# KiCad board coco2.kicad_pcb (continued)
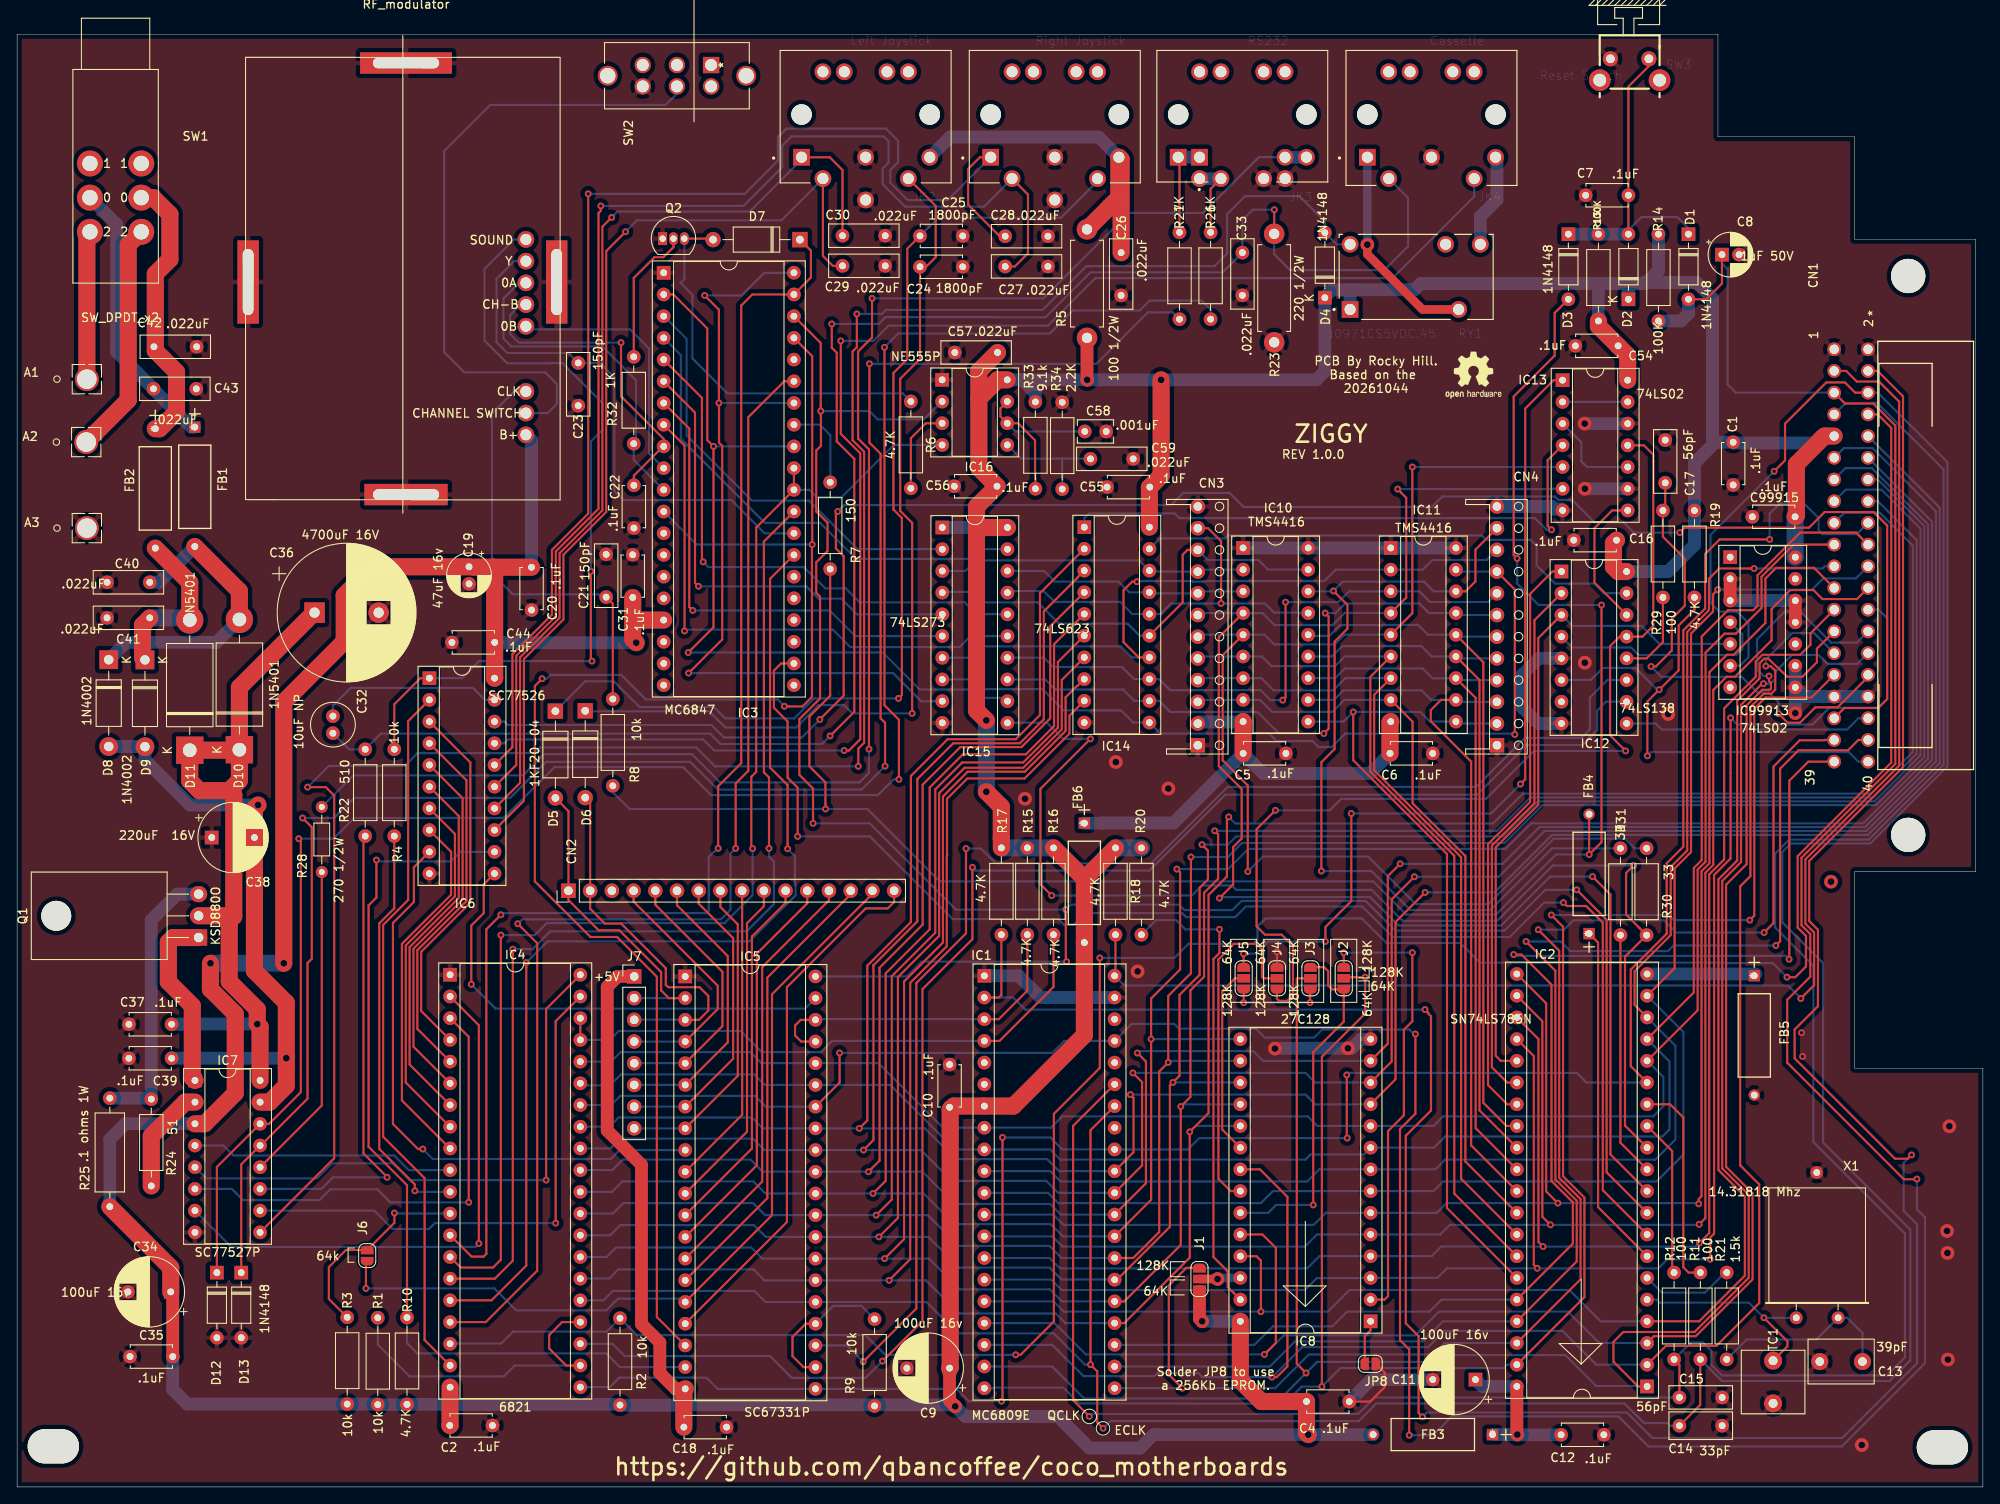
[diagram p0: board, top side]
## Nets
+5V: C1.1 C2.2 C4.1 C9.1 C10.2 C16.1 C18.2 C19.1 C20.1 C31.1 C34.1 C35.2 C44.2 C54.1 C55.1 C56.1 C57.2 C99915.1 CN1.9 D2.1 D4.1 FB3.2 FB6.2 IC1.7 IC3.17 IC4.20 IC5.20 IC6.20 IC7.3 IC8.28 IC12.16 IC13.14 IC14.20 IC15.1 IC15.20 IC16.8 IC99913.14 J1.3 J7.1 MDV-6.1 R1.1 R2.2 R3.1 R5.1 R9.1 R10.2 R13.1 R14.1 R15.1 R16.1 R17.1 R18.1 R19.1 R20.1 R25.1 R33.2 RY1.A1
/dram/VCC1: C5.2 C6.2 CN3.2 FB6.1 IC10.9 IC11.9
GND: A3.1 C1.2 C2.1 C4.2 C5.1 C6.1 C7.2 C8.2 C9.2 C10.1 C11.2 C12.1 C13.2 C14.1 C15.1 C16.2 C17.1 C18.1 C19.2 C20.2 C21.1 C22.2 C23.1 C24.2 C25.2 C26.2 C27.2 C28.1 C29.2 C30.1 C31.2 C33.1 C34.2 C35.1 C36.2 C37.1 C38.1 C39.2 C40.2 C41.2 C42.2 C43.2 C44.1 C54.2 C55.2 C56.2 C57.1 C58.2 C59.2 C99915.2 CN1.1 CN1.2 CN1.33 CN1.34 CN3.1 CN3.12 CN4.1 CN4.12 D12.2 D13.2 FB5.2 IC1.1 IC1.39 IC3.1 IC4.1 IC5.1 IC6.10 IC7.8 IC8.14 IC10.1 IC10.18 IC11.1 IC11.18 IC12.5 IC12.8 IC13.7 IC13.9 IC13.12 IC14.10 IC15.10 IC16.1 IC99913.2 IC99913.3 IC99913.7 IC99913.8 IC99913.9 IC99913.11 IC99913.12 J4.1 JK1.3 JK1.6 JK2.3 JK2.6 JK3.3 JK4.2 JP8.2 MDV-6.9 Q2.1 R23.1 R34.1 SW2.4 SW3.2 TC1.2 X1.3
/A0: CN1.19 IC1.8 IC2.16 IC4.36 IC5.36 IC8.10
/A1: CN1.20 IC1.9 IC2.17 IC4.35 IC5.35 IC8.9
/A2: CN1.21 IC1.10 IC2.18 IC8.8
/A3: CN1.22 IC1.11 IC2.19 IC8.7
/A4: CN1.23 IC1.12 IC2.21 IC8.6
/A5: CN1.24 IC1.13 IC2.22 IC8.5
/A6: CN1.25 IC1.14 IC2.23 IC8.4
/A7: CN1.26 IC1.15 IC2.24 IC8.3
/A8: CN1.27 IC1.16 IC2.4 IC8.25
/A9: CN1.28 IC1.17 IC2.3 IC8.24
/A10: CN1.29 IC1.18 IC2.2 IC8.21
/A11: CN1.30 IC1.19 IC2.1 J3.2
/A12: CN1.31 IC1.20 IC2.39 J2.2
/A13: CN1.37 IC1.21 IC2.38 J1.1
/A14: CN1.38 IC1.22 IC2.37
/A15: CN1.39 IC1.23 IC2.36
/CART_SND: CN1.35 IC6.18
/cpu/BUS_ENABLE_A: IC13.4 IC14.1
/cpu/DQ0: CN3.9 IC10.2 IC14.18 IC15.3
/cpu/DQ1: CN3.8 IC10.3 IC14.17 IC15.18
/cpu/DQ2: CN3.11 IC10.15 IC14.16 IC15.17
/cpu/DQ3: CN3.10 IC10.17 IC14.15 IC15.4
/cpu/DQ4: CN4.10 IC11.2 IC14.14 IC15.7
/cpu/DQ5: CN4.8 IC11.3 IC14.13 IC15.14
/cpu/DQ6: CN4.7 IC11.15 IC14.12 IC15.13
/cpu/DQ7: CN4.9 IC11.17 IC14.11 IC15.8
/cpu/~{BUS_ENABLE}: IC12.15 IC14.19
/D0: CN1.10 IC1.31 IC4.33 IC5.33 IC8.11 IC14.2
/D1: CN1.11 IC1.30 IC4.32 IC5.32 IC8.12 IC14.3
/D2: CN1.12 IC1.29 IC4.31 IC5.31 IC8.13 IC14.4
/D3: CN1.13 IC1.28 IC4.30 IC5.30 IC8.15 IC14.5
/D4: CN1.14 IC1.27 IC4.29 IC5.29 IC8.16 IC14.6
/D5: CN1.15 IC1.26 IC4.28 IC5.28 IC8.17 IC14.7
/D6: CN1.16 IC1.25 IC4.27 IC5.27 IC8.18 IC14.8
/D7: CN1.17 IC1.24 IC4.26 IC5.26 IC8.19 IC14.9
/dram/MA0: CN4.6 IC2.28 IC10.14 IC11.14
/dram/MA1: CN4.5 IC2.29 IC10.13 IC11.13
/dram/MA2: CN4.4 IC2.30 IC10.12 IC11.12
/dram/MA3: CN4.3 IC2.31 IC10.11 IC11.11
/dram/MA4: CN3.3 IC2.32 IC10.8 IC11.8
/dram/MA5: CN3.4 IC2.33 IC10.7 IC11.7
/dram/MA6: CN3.5 IC2.34 IC10.6 IC11.6
/dram/MA7: CN4.2 IC2.35 IC10.10 IC11.10
/dram/~{CAS}: CN4.11 IC10.16 IC11.16 R31.1
/dram/~{RAS}: CN3.6 IC10.5 IC11.5 IC13.5 R30.1
/dram/~{WE}: CN3.7 IC2.10 IC10.4 IC11.4 IC13.6
/E: C14.2 CN1.6 IC1.34 IC4.25 IC5.25 IC99913.6 R11.1
/peripherals/+SALT_VIN: C36.1 C37.2 D10.1 D11.1 IC7.16 Q1.2
/peripherals/-SALT_VIN: C38.2 C39.1 D8.2 D9.2 IC7.15
/peripherals/CASS_DATA_IN: C32.1 C33.2 JK4.4 R22.1 R23.2
/peripherals/CASS_DATA_OUT_TTL: IC4.2 IC7.7
/peripherals/CASS_M_IN_TTL: IC4.39 IC7.10
/peripherals/CASS_MTR_OUT: D4.2 IC7.9 RY1.A2
/peripherals/CD_IN: D13.1 IC7.13 R27.1
/peripherals/CD_OUT_TTL: IC4.40 IC7.5
/peripherals/CSS: D7.1 IC3.39 IC4.13
/peripherals/GM1: IC3.29 IC4.15
/peripherals/GM2: IC3.27 IC4.16
/peripherals/HI_LO: IC5.9 IC6.9
/peripherals/JOY0: C28.2 IC6.16 JK1.1
/peripherals/JOY1: C27.1 IC6.15 JK1.2
/peripherals/JOY2: C30.2 IC6.14 JK2.1
/peripherals/JOY3: C29.1 IC6.13 JK2.2
/peripherals/KR1: CN2.1 D5.2 IC5.2 J7.2
/peripherals/KR2: CN2.2 D6.2 IC5.3 J7.3
/peripherals/KR3: CN2.4 IC5.4 J7.4
/peripherals/KR4: CN2.5 IC5.5 J7.5
/peripherals/KR5: CN2.6 IC5.6 J7.6
/peripherals/KR6: CN2.7 IC5.7 J7.7
/peripherals/KR7: CN2.8 IC5.8 J7.8
/peripherals/SELA: IC5.39 IC6.11
/peripherals/SELB: IC5.19 IC6.12 R10.1
/peripherals/SER_DATA_IN_TTL: IC4.3 IC7.6
/peripherals/SER_DATA_OUT: IC7.12 R28.2
/peripherals/SER_DATA_OUT_TTL: IC4.10 IC7.4
/peripherals/SERIAL_DATA_IN: D12.1 IC7.14 R26.1
/peripherals/~{A}_G: IC3.35 IC4.17
/peripherals/~{INT}_EXT: IC3.30 IC3.31 IC4.14 IC16.4
/Q: C15.2 CN1.7 IC1.35 R12.1
/roms/128K_ROM_~{CE}: IC13.1 J5.1
/roms/A11_OR_A12: IC8.23 J2.1 J3.1
/roms/A12_OR: IC8.2 J2.3
/roms/A13_VCC: IC8.26 J1.2
/roms/~{CE_}A11: IC8.20 J5.2
/roms/~{CS_BASIC}: IC12.13 IC13.11 J4.3
/roms/~{ROM_OE}: IC8.22 J4.2
/R~{W}: CN1.18 IC1.32 IC2.15 IC4.21 IC5.21
/sam/DA0: IC2.8 IC3.22
/sam/~{CS_EXTENDED_BASIC}: IC12.14 IC13.8
/sam/~{RAS_}CP: IC2.12 IC15.11 R30.2
/VDGCLK: D3.2 FB4.2 R7.1 R8.2
/video/DD0: IC3.3 IC15.2
/video/DD1: IC3.4 IC15.19
/video/DD2: IC3.5 IC15.16
/video/DD3: IC3.6 IC15.5
/video/DD4: IC3.7 IC15.6
/video/DD5: IC3.8 IC15.15
/video/DD6: IC3.2 IC3.32 IC15.12
/video/DD7: IC3.34 IC3.40 IC15.9
/video/RF_SND: IC6.1 MDV-6.8 R4.1
/~{CART}: CN1.8 IC4.18 R2.1
/~{CS_PIA0}: IC5.23 IC12.11
/~{CSPIA1}: IC4.23 IC12.10
/~{CTS}: C17.2 CN1.32 R29.1
/~{FIRQ}: IC1.4 IC4.37 IC4.38 R16.2
/~{FS}: IC3.12 IC3.37 IC5.18
/~{HALT}: CN1.3 IC1.40 R18.2
/~{HS}: IC2.9 IC3.38 IC5.40 IC16.2
/~{IRQ}: IC1.3 IC5.37 IC5.38 R15.2
/~{NMI}: CN1.4 IC1.2 R17.2
/~{RESET}: C8.1 CN1.5 D1.2 IC1.37 IC4.34 IC5.34 R14.2
/~{SCS}: CN1.36 IC12.9
/~{SLENB}: CN1.40 IC12.6 R19.2
Net-(A1-Pad1): A1.1 SW1.3
Net-(A2-Pad1): A2.1 SW1.6
Net-(C7-Pad1): C7.1 D1.1 D2.2 D3.1 R13.2 SW3.1
Net-(C11-Pad1): C11.1 C12.2 FB3.1 IC2.40
Net-(C13-Pad1): C13.1 R21.2 X1.1
Net-(C21-Pad2): C21.2 MDV-6.3 R8.1
Net-(C22-Pad1): C22.1 IC3.9 MDV-6.5
Net-(C23-Pad2): C23.2 IC3.28 MDV-6.7
Net-(C24-Pad1): C24.1 D6.1 JK2.4
Net-(C25-Pad1): C25.1 D5.1 JK1.4
Net-(C26-Pad1): C26.1 JK1.5 JK2.5 R5.2
Net-(C32-Pad2): C32.2 IC6.19
Net-(C40-Pad1): C40.1 D8.1 D10.2 FB1.2
Net-(C41-Pad1): C41.1 D9.1 D11.2 FB2.2
Net-(C42-Pad1): C42.1 FB2.1 SW1.5
Net-(C43-Pad1): C43.1 FB1.1 SW1.2
Net-(C58-Pad1): C58.1 IC16.6 IC16.7 R33.1
Net-(C59-Pad1): C59.1 IC16.5 R34.2
Net-(CN2-Pad9): CN2.9 IC5.10
Net-(CN2-Pad10): CN2.10 IC5.11
Net-(CN2-Pad11): CN2.11 IC5.12
Net-(CN2-Pad12): CN2.12 IC5.13
Net-(CN2-Pad13): CN2.13 IC5.14
Net-(CN2-Pad14): CN2.14 IC5.15
Net-(CN2-Pad15): CN2.15 IC5.16 J6.1
Net-(CN2-Pad16): CN2.16 IC5.17
Net-(D7-Pad2): D7.2 Q2.3 R6.1
Net-(FB4-Pad1): FB4.1 IC2.7
Net-(FB5-Pad1): FB5.1 IC2.20
Net-(IC2-Pad5): IC2.5 TC1.1 X1.2
Net-(IC2-Pad6): IC2.6 R21.1
Net-(IC2-Pad11): IC2.11 R31.2
Net-(IC2-Pad13): IC2.13 R12.2
Net-(IC2-Pad14): IC2.14 R11.2
Net-(IC3-Pad10): IC3.10 MDV-6.4
Net-(IC3-Pad11): IC3.11 MDV-6.6 R32.1
Net-(IC3-Pad33): IC3.33 R7.2
Net-(IC4-Pad4): IC4.4 IC6.3
Net-(IC4-Pad5): IC4.5 IC6.4
Net-(IC4-Pad6): IC4.6 IC6.5
Net-(IC4-Pad7): IC4.7 IC6.6
Net-(IC4-Pad8): IC4.8 IC6.7
Net-(IC4-Pad9): IC4.9 IC6.8
Net-(IC4-Pad11): IC4.11 R4.2
Net-(IC4-Pad12): IC4.12 J6.2 R3.2
Net-(IC4-Pad19): IC4.19 IC6.2
Net-(IC4-Pad22): IC4.22 IC4.24 R1.2
Net-(IC5-Pad22): IC5.22 IC5.24 R9.2
Net-(IC6-Pad17): IC6.17 JK4.5
Net-(IC7-Pad1): IC7.1 Q1.1
Net-(IC7-Pad2): IC7.2 R24.2
Net-(IC7-Pad11): IC7.11 R22.2
Net-(IC8-Pad1): IC8.1 JP8.1
Net-(IC8-Pad27): IC8.27 R20.2
Net-(IC12-Pad1): IC2.27 IC12.1
Net-(IC12-Pad2): IC2.26 IC12.2
Net-(IC12-Pad3): IC2.25 IC12.3 IC99913.5
Net-(IC12-Pad4): IC12.4 IC99913.4
Net-(IC12-Pad12): IC12.12 R29.2
Net-(IC13-Pad10): IC13.3 IC13.10
Net-(IC13-Pad13): IC13.2 IC13.13
Net-(IC16-Pad3): IC16.3 R6.2
Net-(J3-Pad3): J3.3 J5.3
Net-(JK3-Pad1): JK3.1 R27.2
Net-(JK3-Pad2): JK3.2 R26.2
Net-(JK3-Pad4): JK3.4 R28.1
Net-(JK4-Pad1): JK4.1 RY1.11
Net-(JK4-Pad3): JK4.3 RY1.14
Net-(MDV-6-Pad2): MDV-6.2 SW2.5
Net-(Q1-Pad3): Q1.3 R24.1 R25.2
Net-(Q2-Pad2): Q2.2 R32.2

Pads without a net: CN2 3; IC1 5 6 33 36 38; IC3 13 14 15 16 18 19 20 21 23 24 25 26 36; IC12 7; IC99913 1 10 13; JK1 E1 E2; JK2 E1 E2; JK3 E1 E2; JK4 E1 E2; RY1 12; SW1 1 4; SW2 1 2 3 6 7 8; SW3 GNDS

## Via types
v1: diameter 1.6, hole 0.8, Top to Bottom, 33 vias
v2: diameter 0.8, hole 0.4, Top to Bottom, 188 vias

## Routing (per net, layer and track width the routed paths; a pad name or vN(x,y) marks a point on that pad's centre or on a via; arc(x,y) is an arc through that point)
+5V: length 828
  Top w1.5: R5.1 125.18,129.57 v1(125.2,129.55) ; v1(109.76,9.42) 109.1,10.08 C9.1 ; C34.1 18.21,22.59 C35.2 ; v1(138.65,19.38) 138.34,19.69 138.34,22.88 ; J7.1 70.27,59.74 69.05,58.53 69.05,41.7 73.05,37.7 73.05,19.05 75.2,16.9 75.2,13.32 77.04,11.48 IC5.20
  Top w2: v1(133.85,129.55) 133.85,118.33 C55.1 132.48,116.96 IC14.20 ; 22.62,58.24 25.52,55.34 25.52,46.07 21.94,42.49 20.81,42.49 ; 22.62,58.24 22.62,59.15 ; 22.62,58.24 v1(22.62,61.27) ; IC13.14 188.44,132.41 C54.1 185.01,135.84 R13.1 ; R18.1 124.87,71.14 ; 124.87,71.14 FB6.2 124.87,52.87 116.57,44.57 IC1.7 109.59,44.57 109.17,44.15 109.17,13.97 C9.1 ; 124.87,71.14 124.87,71.17 R16.1 ; 72.02,101.55 72.03,99.2 v1(72.44,98.79) ; 72.02,101.55 72.14,101.44 IC3.17 ; 72.02,101.55 C31.1 ; R25.1 17.97,25.67 C34.1 ; CN1.9 211.47,122.97 208.18,119.68 208.18,113.68 208.08,113.58 208.03,113.58 ; R17.1 115.16,75.91 115.15,75.92 115.15,79.6 v1(113.4,81.35) ; 112.25,112.02 112.25,90.85 v1(113.4,89.7) ; 112.25,112.02 112.51,112.27 IC15.20 ; 112.25,112.02 112.25,114.7 C56.1 112.52,119.23 112.52,127.36 ; IC12.16 187.33,107.12 186.78,107.68 186.78,110.44 C16.1 ; 112.52,127.36 114.72,129.55 IC16.8 ; 112.52,127.36 112.52,130.56 C57.2 ; IC5.20 78.01,11.32 C18.2 ; IC8.28 143.12,12.46 145.58,9.99 C4.1 150.86,6.33 v1(151.07,6.12) ; IC6.20 55.87,94.66 C44.2 55.87,107.43 55.67,107.62 ; C20.1 55.67,107.62 ; 55.67,107.62 55.64,107.59 ; 55.67,107.62 55.67,107.62 53.35,107.62 ; C19.1 41.62,107.68 38.27,104.33 38.27,98.93 31.2,91.85 v1(31.2,61.28) ; C2.2 50.66,7.23 IC4.20
  Bottom w1.5: FB3.2 158.65,6.12 v1(151.07,6.12) 132.98,6.12 131.41,4.55 125.46,4.55 121.77,8.24 110.94,8.24 v1(109.76,9.42) 109.58,9.6 78.17,9.6 ; 190.54,140.83 192.04,142.33 R14.1 ; 190.54,140.83 190.42,140.95 196.49,140.95 198.37,139.07 198.37,122.57 198.69,122.25 ; 190.54,140.83 188.43,140.83 ; RY1.A1 155.96,140.06 156,140.1 ; 50.9,9.65 R10.2 45.59,9.63 R1.1 42.14,9.69 R3.1 19.91,9.69 18.2,11.4 18.2,14.11 18.21,14.12 C35.2 ; 50.9,9.65 50.9,10.3 50.66,10.54 IC4.20 ; 50.9,9.65 70.46,9.66 R2.2 70.57,9.55 78.12,9.55 78.17,9.6 ; 188.43,140.83 188.53,140.74 D2.1 ; 188.43,140.83 184.71,140.83 ; 156,140.1 163.5,140.1 164.23,140.83 184.71,140.83 ; 156,140.1 153.87,140.1 153.01,139.24 D4.1 153.01,130.55 152.01,129.55 v1(133.85,129.55) v1(125.2,129.55) IC16.8 117.59,129.55 119.14,128 119.14,126.97 ; 198.69,122.25 196.25,119.81 R19.1 196.25,110.2 193.17,107.12 IC12.16 ; 198.69,122.25 C1.1 200.87,122.16 210.2,122.16 211.01,122.97 CN1.9 ; R13.1 185.01,140.53 184.71,140.83 ; MDV-6.1 60.19,122.46 C20.1 ; R25.1 10.85,40.68 12.68,42.51 19.66,42.51 19.68,42.49 20.81,42.49 ; 78.17,9.6 IC5.20 ; 55.64,98.79 v1(72.44,98.79) ; IC15.20 IC15.1 ; IC8.28 v1(138.65,19.38)
  Bottom w2: IC99913.14 208.03,108.83 C99915.1 ; R16.1 R17.1 ; v1(113.4,81.35) v1(113.4,89.7) ; v1(31.2,61.28) v1(22.62,61.27) ; R18.1 R20.1
/dram/VCC1: length 54
  Top w2: C6.2 160.63,89.47 IC11.9 ; IC10.9 143.45,89.55 C5.2
  Bottom w1.5: FB6.1 127.03,77.67 127.06,77.7 135.31,77.7 C5.2 145.81,83.48 158.27,83.48 C6.2 ; IC10.9 143.4,89.52 138.33,89.52 CN3.2
GND: length 133.2
  Top w0.25: 147.38,62.65 v2(147.41,62.61) 147.41,60.82 ; C4.2 158.31,9.99 160.02,11.7 160.02,13.35 JP8.2
  Top w1.5: IC99913.2 IC99913.3 ; IC99913.12 IC99913.11
  Bottom w1.5: IC10.1 IC10.18 IC11.1 IC11.18 ; IC99913.9 208.05,93.56 ; 208.05,93.56 v1(208.05,90.55) ; 208.05,93.56 209.12,92.49 CN1.33 CN1.34 ; CN4.12 179.57,114.73 179.88,114.43 180.67,114.43 IC13.7 ; IC12.5 179.56,96.96 179.55,96.97 178.04,96.97 176.1,95.03 176.1,91.21 177.97,89.34 IC12.8 ; IC13.9 v1(183.43,116.81) ; IC13.12 v1(183.41,124.43) ; IC1.1 117.19,59.81 119.73,57.27 IC1.39 ; C4.2 158.43,12.56 C11.2 ; IC99913.12 IC99913.3 ; v1(147.17,51.29) 147.21,51.33 v1(155.7,51.33) 156.16,51.33 157.23,52.4 IC8.14
  vias: v1(117.92,80.53) v1(128.55,84.83) v1(131.1,60.33) v1(134.7,81.73) v1(183.43,96.45) v1(193.18,90.45) v1(215.82,4.9) v1(225.8,29.95) v1(225.85,27.38) v1(225.9,14.9) v1(226.07,42.2) v2(208.78,53.15) v2(208.9,50.38)
(no net):
  vias: v1(212.23,70.83)
/A0: length 211.9
  Top w0.25: CN1.19 207.85,110.27 204.1,106.52 204.1,102.85 201.1,99.85 199.78,99.85 197.55,97.62 197.55,73.16 196.62,72.23 196.62,55.77 IC2.16
  Bottom w0.25: IC2.16 192.61,47.96 192.61,44.53 191.45,43.37 166.85,43.37 165.72,42.24 IC8.10 152.12,42.24 150.99,43.37 122.3,43.37 120.96,42.03 IC1.8 108.32,42.03 100.77,49.58 IC5.36 87.1,49.58 85.8,50.88 70.62,50.88 69.51,49.77 IC4.36
/A1: length 222.3
  Top w0.25: CN1.20 215.16,111.68 208.62,111.68 203.63,106.68 203.63,103.1 203.12,102.59 200.18,102.59 197.1,99.51 197.1,73.35 196.17,72.42 196.17,57.86 IC2.17
  Bottom w0.25: IC4.35 66.14,46.99 69.37,46.99 70.65,48.28 86.24,48.28 87.48,47.04 IC5.35 102.15,47.04 109.7,39.49 IC1.9 120.87,39.49 122.07,38.29 150.72,38.29 151.33,38.9 157.56,38.9 IC8.9 165.78,39.7 167.09,41.01 192.51,41.01 193.33,41.83 193.33,49.78 IC2.17
/A2: length 169.8
  Top w0.25: 190.71,54.94 189.25,56.4 189.25,60.35 193.47,64.57 193.47,72.55 195.4,74.47 195.4,100.05 197.95,102.6 197.95,106.27 199.15,107.48 v2(203.23,107.48)
  Bottom w0.25: IC1.10 120.88,36.95 122.08,35.75 150.93,35.75 152.34,37.16 IC8.8 165.94,37.16 167.07,38.29 191.66,38.29 194.02,40.65 194.02,51.63 190.71,54.94 ; v2(203.23,107.48) 211.21,107.48 211.47,107.73 CN1.21
/A3: length 174.7
  Top w0.25: IC2.19 193.93,60.7 193.93,72.36 195.85,74.29 195.85,99.86 198.43,102.44 198.43,104.45 v2(198.98,105)
  Bottom w0.25: IC1.11 120.62,34.41 121.82,33.21 145.53,33.21 146.94,34.62 IC8.7 165.71,34.62 166.84,35.75 191.82,35.75 194.96,38.89 194.96,53.23 IC2.19 ; CN1.22 215.15,106.32 211.32,106.32 210,105 v2(198.98,105)
/A4: length 200.4
  Top w0.25: v2(180.28,33.21) 178.9,34.58 178.9,56.59 IC2.21 ; CN1.23 210.24,107.55 205.8,107.55 204.55,106.3 204.55,101.09 200.83,97.38 200.04,97.38 198,95.34 198,72.97 197.07,72.05 197.07,34.02 196.75,33.69 v2(196.75,33.12)
  Bottom w0.25: IC1.12 121.23,31.87 122.44,30.67 151.71,30.67 153.12,32.08 IC8.6 166.12,32.08 167.25,33.21 v2(180.28,33.21) 196.67,33.21 v2(196.75,33.12)
/A5: length 202.9
  Top w0.25: v2(179.41,30.67) 178.45,31.62 178.45,54.5 IC2.22 ; v2(196.8,30.72) 197.52,31.45 197.52,71.86 198.45,72.79 198.45,93.25 200,94.8 201,94.8 205.28,99.07 205.28,102.73 207.45,104.95 210.18,104.95 211.23,103.9 215.27,103.9 CN1.24
  Bottom w0.25: IC1.13 121.11,29.33 122.31,28.13 150.68,28.13 152.09,29.54 IC8.5 166.52,29.54 167.65,30.67 v2(179.41,30.67) 196.74,30.67 v2(196.8,30.72)
/A6: length 196.7
  Top w0.25: v2(178.54,28.13) 178,28.66 178,52.41 175.47,54.94 ; v2(196.83,28.55) 197.98,29.69 197.98,71.68 199.73,73.43 199.73,91.11 203.42,94.81 203.42,96.58 204.22,97.38 208.62,97.38 209.82,98.57 209.82,99.88 CN1.25
  Bottom w0.25: IC1.14 120.8,26.79 122,25.59 150.97,25.59 152.38,27 IC8.4 165.51,27 166.64,28.13 v2(178.54,28.13) 196.41,28.13 v2(196.83,28.55)
/A7: length 211
  Top w0.25: v2(200.48,90) 200.48,73.54 198.55,71.61 198.55,29.63 198.1,29.18 v2(198.1,26.64) ; v2(177.86,25.59) 177.46,25.99 177.46,50.41 IC2.24
  Bottom w0.25: v2(200.48,90) 201.25,89.23 210.07,89.23 212.03,91.18 217.75,91.18 218.8,92.23 218.8,101.65 217.8,102.65 CN1.26 ; v2(198.1,26.64) 193.07,26.64 192.02,25.59 v2(177.86,25.59) 167.31,25.59 166.18,24.46 IC8.3 157.23,24.46 157.21,24.44 152.07,24.44 150.68,23.05 122.2,23.05 121,24.25 IC1.15
/A8: length 191.1
  Top w0.25: 212.34,99.85 CN1.27 210.57,98.09 210.57,96.5 208.88,94.8 207.12,94.8 204.88,96.92 204.4,96.92 203.87,96.4 203.87,94.62 201.25,92 201.25,73.3 199.05,71.1 199.05,37.09 202.15,33.99 202.15,24.72 196.81,19.38 190.71,19.38 ; v2(145.53,20.51) 145.53,26.47 145,27 IC8.25
  Bottom w0.25: IC1.16 121.25,21.71 121.26,21.72 122.48,20.51 v2(145.53,20.51) 153.37,20.51 155.91,23.05 181.6,23.05 185.28,19.37 189.57,19.37 189.58,19.38 190.71,19.38
/A9: length 212.2
  Top w0.25: v2(204.97,94.88) 204.97,94.32 205.2,94.09 205.2,93.43 205.05,93.28 204.18,93.28 202.35,91.45 202.35,72.87 199.95,70.48 199.95,37.46 203.05,34.36 203.05,24.29 196.4,17.64 191.51,17.64 190.71,16.84 ; v2(145.93,15.5) 146.33,15.9 146.33,15.91 147.27,16.85 147.27,27.97 145.71,29.54 IC8.24
  Bottom w0.25: v2(204.97,94.88) 204.34,94.88 203.57,95.65 203.57,99.2 206.82,102.45 208.59,102.45 212.24,98.8 215.25,98.8 CN1.28 ; 113.17,19.17 121.38,19.17 125.05,15.5 v2(145.93,15.5) 145.97,15.5 148.21,17.74 163.6,17.74 164.1,18.24 164.1,18.25 166.36,20.51 181.44,20.51 185.11,16.84 190.71,16.84
/A10: length 217.9
  Top w0.25: IC2.2 192.91,16.5 198.81,16.5 203.83,21.51 203.83,35.41 201.6,37.64 201.6,70.28 202.8,71.48 202.8,91.26 204.36,92.83 205.23,92.83 205.7,93.29 205.7,95.53 205.15,96.05 v2(204.6,96.05) ; v2(146.81,12.85) 147.38,12.85 148.62,14.1 148.62,33.95 145.42,37.16 IC8.21
  Bottom w0.25: IC2.2 184.78,14.3 180.83,18.25 166.99,18.25 165.09,16.35 150.35,16.35 146.85,12.85 v2(146.81,12.85) 138.68,12.85 138.22,13.31 133.4,13.31 133.05,12.96 124.77,12.96 121.1,16.63 IC1.18 ; v2(204.6,96.05) 204.6,96.82 207.71,99.93 210.24,99.93 CN1.29
/A11: length 245.2
  Top w0.25: v2(150.81,13.33) 149.73,14.42 149.73,59.45 149.8,59.52 J3.2 ; v2(204.32,94) 204.17,94 201.7,91.53 201.7,73.11 199.5,70.91 199.5,37.27 202.6,34.18 202.6,24.47 196.25,18.12 187.93,18.12 186.78,16.97 186.78,14.65 189.66,11.76 IC2.1
  Bottom w0.25: v2(204.32,94) 205.14,94 205.7,94.56 205.7,95.38 207.67,97.35 210.78,97.35 211.81,96.32 215.31,96.32 CN1.30 ; IC2.1 189.66,11.76 189.61,11.81 184.75,11.81 181.13,15.43 167.01,15.43 166.22,14.64 152.12,14.64 v2(150.81,13.33) 147.83,10.35 124.84,10.35 121.1,14.09 IC1.19
/A12: length 234.5
  Top w0.25: v2(202.73,66.33) 203.25,66.85 203.25,91.08 204.55,92.38 209.94,92.38 CN1.31 ; v2(152.66,11.74) 152.66,50.34 157.73,55.4 v2(157.73,59.65) 155.35,59.65 J2.2 ; v2(179.5,66.93) 180.87,65.55 180.87,36.36 183.37,33.86 183.37,22.2 IC2.39
  Bottom w0.25: v2(179.5,66.93) 193.23,66.93 193.82,66.33 v2(202.73,66.33) ; IC2.39 174.34,14.3 173.95,13.91 154.83,13.91 v2(152.66,11.74) 150.32,11.74 148.3,9.72 124.25,9.78 122.42,11.61 114.36,11.61 114.3,11.55 IC1.20
/A13: length 175.6
  Top w0.25: CN1.37 211.47,87.41 211.43,87.38 208.57,87.38 205.5,84.3 205.5,65.97 v2(204.4,64.88) ; 175.47,16.84 182.92,24.29 182.92,33.68 180.42,36.18 180.42,62.75 v2(177.98,65.2) ; J1.1 136.81,25.63 134.75,23.58 134.75,13.14 v2(136.34,11.55)
  Bottom w0.25: IC1.21 v2(136.34,11.55) 147.19,11.55 151.14,15.5 165.66,15.5 167,16.84 175.47,16.84 ; v2(177.98,65.2) 180.98,65.2 182.07,66.3 192.68,66.3 194.1,64.88 v2(204.4,64.88)
/A14: length 161.6
  Top w0.25: 175.47,19.38 182.47,26.38 182.47,33.49 179.97,35.99 179.97,60.4 v2(176.55,63.83) ; v2(205.78,63.35) 206.28,63.85 206.28,84.05 208.43,86.2 214.22,86.2 215.43,87.41 CN1.38
  Bottom w0.25: IC1.22 146.57,14.09 149.51,17.03 164.49,17.03 166.84,19.38 175.47,19.38 ; v2(176.55,63.83) 180.6,63.83 181.73,62.7 193.15,62.7 193.8,63.35 v2(205.78,63.35)
/A15: length 155.3
  Top w0.25: CN1.39 209.57,84.87 207.35,82.65 207.35,61.78 v2(207.32,61.75) ; v2(175.1,62.3) 176,62.3 179.52,58.78 179.52,35.8 182.02,33.3 182.02,28.47 IC2.36
  Bottom w0.25: IC1.23 144.77,16.63 146.94,18.8 153.9,18.8 155.61,20.51 165.24,20.51 166.64,21.91 174.33,21.91 174.34,21.92 IC2.36 ; v2(207.32,61.75) 206.93,62.15 190.62,62.15 190.62,62.15 175.25,62.15 v2(175.1,62.3)
/CART_SND: length 221.4
  Top w0.25: CN1.35 213.8,91.15 217.75,91.15 218.8,92.2 218.8,112.5 217.23,114.08 211.48,114.08 209.65,112.25 195.1,112.25 v2(194.53,111.68) ; v2(93.92,89.81) 96.71,92.6 96.71,108.91 95.8,109.82 95.8,113.93 v2(96.02,114.15)
  Bottom w0.25: v2(93.92,89.81) 91.82,87.71 82.7,87.71 81.25,89.16 57.39,89.16 56.99,89.56 IC6.18 ; v2(194.53,111.68) 189.15,111.68 187.95,112.88 184.55,112.88 181.92,115.5 180.32,115.5 179.92,115.91 166.76,115.91 165.52,114.68 143.5,114.68 141.85,116.33 136.45,116.33 135.02,114.9 96.77,114.9 v2(96.02,114.15)
/cpu/BUS_ENABLE_A: length 67.5
  Top w0.25: v2(179.53,112) 179.07,112.46 179.07,120.15 IC13.4
  Bottom w0.25: v2(179.53,112) 178.96,112 177.6,113.37 135.99,113.37 135.44,113.92 125.42,113.92 124.86,113.36 IC14.1
/cpu/DQ0: length 36.3
  Bottom w0.25: IC10.2 138.37,107.34 CN3.9 132.6,107.11 IC14.18 131.68,108.03 131.68,108.04 131.3,108.42 112.19,108.42 110.96,107.19 IC15.3
/cpu/DQ1: length 28.8
  Bottom w0.25: IC10.3 138.37,104.8 CN3.8 132.6,104.57 132.48,104.69 130.11,104.69 128.86,105.94 121.41,105.94 120.16,107.19 IC15.18
/cpu/DQ2: length 48
  Top w0.25: 138.14,112.19 139.34,112.19 140.87,110.67 v2(140.87,103.39)
  Bottom w0.25: IC10.15 149.93,102.26 149.88,102.31 147.07,102.31 145.99,103.39 v2(140.87,103.39) 135.02,103.39 133.78,102.15 IC14.16 130.46,102.15 129.05,103.56 121.36,103.56 120.09,104.84 116.06,104.84 IC15.17
/cpu/DQ3: length 53.4
  Top w0.25: IC14.15 136.38,103.51 136.38,109.09 136.94,109.65 CN3.10
  Bottom w0.25: IC14.15 131.35,99.61 129.95,101.01 121.9,101.01 119.39,103.52 112.71,103.52 111.48,104.75 108.35,104.75 IC15.4 ; CN3.10 139.32,108.47 145.23,108.47 146.35,107.35 149.92,107.35 149.93,107.34 IC10.17
/cpu/DQ4: length 80.9
  Top w0.25: v2(131.01,105.93) 130.45,105.93 129.45,104.93 129.45,98.85 131.23,97.07 IC14.14
  Bottom w0.25: CN4.10 172.29,108.8 172.27,108.8 171.94,108.47 165.59,108.47 164.46,107.34 IC11.2 154.29,107.34 152.95,106 138.77,106 138.7,105.93 137.58,105.93 137.51,106 131.09,106 v2(131.01,105.93) ; IC14.14 130.43,97.07 129.13,98.37 112.82,98.37 111.48,97.03 IC15.7
/cpu/DQ5: length 72.1
  Top w0.25: v2(148.08,92.07) 148.41,92.4 v2(148.41,103.53)
  Bottom w0.25: IC15.14 120.14,97.03 121.23,95.94 129.28,95.94 130.69,94.53 IC14.13 133.61,94.53 134.91,93.23 145.49,93.23 146.65,92.07 v2(148.08,92.07) ; CN4.8 172.29,103.72 172.29,103.71 172.13,103.55 165.31,103.55 164.06,104.8 IC11.3 159.59,104.8 159.58,104.79 155.83,104.79 154.57,103.53 v2(148.41,103.53)
/cpu/DQ6: length 75.3
  Top w0.25: v2(152.89,88.16) 153.45,88.72 153.45,101.85 v2(153.05,102.25)
  Bottom w0.25: CN4.7 168.57,102.03 IC11.15 165.19,102.26 164.06,103.39 155.38,103.39 154.24,102.25 v2(153.05,102.25) ; v2(152.89,88.16) 147.66,88.16 145.13,90.69 134.92,90.69 133.61,91.99 IC14.12 130.72,91.99 129.39,93.32 121.46,93.32 120.29,94.49 IC15.13
/cpu/DQ7: length 95.8
  Top w0.25: CN4.9 175.23,105.02 v2(175.23,88.05)
  Bottom w0.25: IC11.17 168.57,107.11 CN4.9 ; v2(175.23,88.05) 175.13,88.15 155.38,88.15 153.81,86.58 152.26,86.58 151.57,87.27 147.36,87.27 146.48,88.15 133.78,88.15 IC14.11 130.6,89.45 129.18,90.86 122.48,90.86 119.99,93.35 113.14,93.35 111.99,94.5 109.39,94.5 109.38,94.49 IC15.8
/cpu/~{BUS_ENABLE}: length 60.6
  Bottom w0.25: 132.48,109.77 133.72,111.01 141.32,111.01 141.66,111.35 171.37,111.35 171.89,110.83 177.08,110.83 177.79,110.12 177.79,107.83 179.92,105.71 184.51,105.71 185.64,104.58 IC12.15
/D0: length 323.2
  Top w0.25: v2(130.25,45.91) 130.62,45.53 130.62,39.17 IC1.31 ; IC8.11 161.28,47.7 161.28,66.11 v2(164.74,69.57) ; v2(98.54,41.96) 99.48,42.9 99.48,61 104.58,66.1 104.58,83.2 108.87,87.5 116.85,87.5 119.67,90.33 119.67,104.59 124.86,109.77
  Bottom w0.25: CN1.10 224.95,114.58 224.95,84.7 216.56,76.31 179.6,76.31 172.86,69.57 v2(164.74,69.57) ; v2(130.25,45.91) 150.75,45.91 151.89,44.77 157.22,44.77 157.23,44.78 IC8.11 ; IC4.33 69.3,42.15 70.37,43.22 85.98,43.22 87.25,41.96 IC5.33 v2(98.54,41.96) 106.22,41.96 109.82,38.36 120.51,38.36 121.92,36.95 IC1.31
/D1: length 330.6
  Top w0.25: v2(130.55,48.45) 131.62,47.37 131.62,37.62 IC1.30 ; v2(163.48,71.4) 160.83,68.75 160.83,49.79 IC8.12 ; v2(99.03,39.42) 100.19,40.58 100.19,61.04 105.33,66.18 105.33,82.83 109.52,87.03 117.33,87.03 120.13,89.83 120.13,102.45 124.06,106.39 124.06,106.43 IC14.3
  Bottom w0.25: IC1.30 121.82,34.41 120.41,35.82 109.35,35.82 105.75,39.42 v2(99.03,39.42) IC5.32 87.42,39.42 86.09,40.75 70.58,40.75 69.44,39.61 IC4.32 ; IC8.12 151.86,47.32 150.73,48.45 v2(130.55,48.45) ; v2(163.48,71.4) 173.35,71.4 178.71,76.76 216.37,76.76 224.5,84.88 224.5,114.16 217.1,121.56 213.72,121.56 CN1.11 212.6,120.7
/D2: length 327.2
  Top w0.25: v2(131.07,50.78) 132.08,49.77 132.08,35.54 IC1.29 ; IC8.13 160.38,51.88 160.38,71.47 v2(161.81,72.92) ; v2(99.61,36.88) 100.01,37.28 100.01,37.28 100.91,38.18 100.91,60.33 100.9,60.33 100.9,60.75 105.95,65.8 105.95,82.18 110.35,86.58 117.51,86.58 120.87,89.94 120.87,100.7 124.86,104.69
  Bottom w0.25: 161.68,72.78 v2(161.81,72.92) 173.81,72.92 178.11,77.21 216.19,77.21 224.05,85.07 224.05,112.94 CN1.12 ; v2(131.07,50.78) 131.28,50.99 144.64,50.99 145.77,49.86 IC8.13 ; IC1.29 122.11,31.87 120.87,33.11 109.71,33.11 105.94,36.88 v2(99.61,36.88) 87.24,36.88 85.83,38.29 70.85,38.29 69.64,37.08 65.91,37.08 IC4.31
/D3: length 339.9
  Top w0.25: IC1.28 132.68,33.6 v2(132.68,52.4) 132.68,57.16 136.07,60.55 136.07,71.92 v2(135.69,72.3) ; v2(100.14,34.34) 101.62,35.82 101.62,60.1 106.77,65.25 106.77,81.85 110.65,85.73 118.03,85.73 121.32,89.02 121.32,98.61 IC14.5
  Bottom w0.25: 132.58,52.3 v2(132.68,52.4) IC8.15 ; CN1.13 213.93,119.22 217,119.22 223.6,112.62 223.6,85.25 216,77.66 177.14,77.66 174.15,74.67 144.06,74.67 141.69,72.3 v2(135.69,72.3) ; IC4.30 69.6,34.53 70.83,35.75 86.14,35.75 87.55,34.34 IC5.30 v2(100.14,34.34) 106.07,34.34 109.67,30.74 120.95,30.74 122.36,29.33 IC1.28
/D4: length 334.7
  Top w0.25: IC1.27 130.59,26.79 133.62,29.83 133.62,48.62 v2(134.68,49.67) 134.68,57.46 137.34,60.12 v2(137.34,73.71) ; IC14.6 121.77,96.52 121.77,88.84 117.71,84.78 110.58,84.78 107.42,81.62 107.42,64.85 102.34,59.77 102.34,33.63 v2(100.51,31.8)
  Bottom w0.25: CN1.14 217.69,117.89 223.15,112.43 223.15,85.44 217.48,79.77 178.45,79.77 174.03,75.35 143.3,75.35 141.66,73.71 v2(137.34,73.71) ; v2(134.68,49.67) 134.87,49.86 IC8.16 ; IC4.29 69.7,31.99 70.92,33.21 86.11,33.21 87.52,31.8 IC5.29 v2(100.51,31.8) 106.56,31.8 110.16,28.2 120.79,28.2 122.2,26.79 IC1.27
/D5: length 338.7
  Top w0.25: v2(138.63,75.16) 139.32,74.47 139.32,71.08 138.35,70.1 138.35,59.93 136,57.58 136,48.11 v2(135.23,47.34) 135.23,47.33 134.88,46.97 134.88,30.44 128.69,24.25 IC1.26 ; v2(100.83,29.26) 100.83,29.26 103.06,31.48 103.06,59.66 107.88,64.48 107.88,81.18 110.85,84.15 117.73,84.15 122.23,88.65 122.23,94.43 124.06,96.26 124.06,96.27 IC14.7
  Bottom w0.25: IC1.26 127.28,24.25 127.26,24.27 122.2,24.27 120.81,25.66 110.22,25.66 106.62,29.26 v2(100.83,29.26) IC5.28 87.59,29.26 86.22,30.63 70.58,30.63 69.4,29.45 IC4.28 ; v2(138.63,75.16) 141.66,75.16 142.63,76.13 173.82,76.13 177.91,80.22 217.3,80.22 222.7,85.63 222.7,112.13 218.14,116.69 213.94,116.69 CN1.15 ; IC8.17 141.99,47.32 141.97,47.34 v2(135.23,47.34)
/D6: length 333.4
  Top w0.25: v2(140.12,76.78) 140.52,76.38 140.52,71.17 138.88,69.53 138.88,59.7 137.27,58.1 137.27,45.64 v2(136.15,44.51) 136.15,28.32 129.54,21.71 IC1.25 ; IC14.8 124.06,93.73 124.01,93.73 122.68,92.4 122.68,88.46 117.91,83.7 111.22,83.7 108.33,80.8 108.33,63.7 103.77,59.15 103.77,28.99 v2(101.5,26.72)
  Bottom w0.25: v2(136.15,44.51) 136.42,44.78 IC8.18 ; IC4.27 68.97,26.91 70.08,28.02 85.89,28.02 87.19,26.72 IC5.27 v2(101.5,26.72) 106.69,26.72 110.29,23.12 120.83,23.12 122.24,21.71 IC1.25 ; CN1.16 217.69,115.35 222.25,110.79 222.25,85.81 217.11,80.67 177.04,80.67 173.15,76.78 v2(140.12,76.78)
/D7: length 337.7
  Top w0.25: v2(102.03,24.18) 104.49,26.64 104.49,58.98 108.78,63.26 108.78,73.8 108.83,73.97 108.8,74 108.8,80.53 111.17,82.9 117.87,82.9 123.13,88.15 123.13,90.26 IC14.9 ; 128.41,19.17 129.54,19.17 137.2,26.83 v2(137.2,41.55) 139.4,43.75 139.4,69.28 141.55,71.43 141.55,78.19 v2(141.76,78.4)
  Bottom w0.25: 128.41,19.17 122.63,19.17 121.5,20.3 110.22,20.3 106.34,24.18 v2(102.03,24.18) IC5.26 92.28,24.18 92.27,24.17 87.45,24.17 86.17,25.45 70.35,25.45 69.29,24.39 65.92,24.39 IC4.26 ; v2(141.76,78.4) 142.53,77.63 172.67,77.63 176.17,81.12 216.93,81.12 221.8,86 221.8,110.14 217.93,114.01 213.8,114.01 CN1.17 ; v2(137.2,41.55) 137.89,42.24 IC8.19
/dram/MA0: length 84.4
  Top w0.25: IC11.14 171.55,96.51 171.55,44.95 174.26,42.24 IC2.28
  Bottom w0.25: CN4.6 168.57,99.49 IC11.14 165.07,99.72 163.91,100.88 161.14,100.88 161.11,100.85 154.79,100.85 153.54,99.6 151.18,99.6 IC10.14
/dram/MA1: length 83.6
  Top w0.25: IC11.13 171.1,94.42 171.1,44.07 IC2.29
  Bottom w0.25: CN4.5 168.57,96.95 IC11.13 165.5,97.18 164.29,98.39 155.05,98.39 153.84,97.18 IC10.13
/dram/MA2: length 83.5
  Top w0.25: 168.34,94.64 170.65,92.33 170.65,41.98 175.47,37.16
  Bottom w0.25: 151.06,94.64 154.2,94.64 155.33,95.77 164.45,95.77 165.59,94.63 167.2,94.63 167.21,94.64 168.34,94.64 168.57,94.41 CN4.4
/dram/MA3: length 87
  Top w0.25: IC11.11 166.6,92.1 165.4,90.9 165.4,89.6 170.12,84.88 170.12,39.97 175.47,34.62
  Bottom w0.25: IC10.11 154.08,92.1 155.21,93.23 164.32,93.23 165.45,92.1 IC11.11 168.57,91.87 CN4.3
/dram/MA4: length 90
  Top w0.25: IC11.8 163.27,89.55 163.27,80 169.45,73.83 169.45,38.08 174.65,32.88 174.67,32.88 IC2.32
  Bottom w0.25: IC11.8 155.29,92.1 153.88,90.69 146.84,90.69 145.43,92.1 IC10.8 138.37,92.1 CN3.3
/dram/MA5: length 96.7
  Top w0.25: 160.72,94.64 158.78,92.7 158.78,83.86 168.95,73.69 168.95,36.06 IC2.33
  Bottom w0.25: 160.72,94.64 155.41,94.64 154,93.23 146.99,93.23 145.58,94.64 138.37,94.64 CN3.4
/dram/MA6: length 101.9
  Top w0.25: IC11.6 158.32,94.78 158.32,83.68 168.15,73.85 168.15,34.32 175.47,27
  Bottom w0.25: IC11.6 159.59,97.18 159.58,97.19 155.34,97.19 154.2,96.05 146.76,96.05 145.63,97.18 IC10.6 138.37,97.18 CN3.5
/dram/MA7: length 97.9
  Top w0.25: v2(156.32,90.69) 156.32,85.04 167.3,74.07 167.3,32.63 IC2.35 176.14,24.46
  Bottom w0.25: CN4.2 168.57,89.33 IC11.10 167.21,89.56 167.2,89.57 165.3,89.57 164.18,90.69 v2(156.32,90.69) 155.2,89.56 IC10.10
/dram/~{CAS}: length 102.9
  Top w0.25: v2(154.01,104.85) 155.65,103.21 155.65,100.43 154.15,98.93 154.15,86.35 152.6,84.8 v2(152.6,72.07) ; IC11.16 169.47,104.8 170.62,105.95 170.62,109.68 173.14,112.19
  Bottom w0.25: 152.57,72.07 v2(152.6,72.07) 158.44,72.07 163,67.51 172.37,67.51 179.59,74.72 187.59,74.72 R31.1 ; IC11.16 165.74,104.8 164.61,105.93 155.1,105.93 v2(154.01,104.85) 153.97,104.8 IC10.16
/dram/~{RAS}: length 145.1
  Top w0.25: IC11.5 163.24,102.24 v2(163.24,119.35) ; v2(143.99,72.01) 143.99,82.09 141.05,85.03 141.05,97.33 IC10.5
  Bottom w0.25: 163.23,119.35 v2(163.24,119.35) IC13.5 ; IC11.5 155.3,99.72 154.17,98.59 147.09,98.59 145.96,99.72 IC10.5 138.37,99.72 CN3.6 ; R30.1 189.26,74.73 188.13,75.86 179.79,75.86 172.12,68.19 163.66,68.19 158.09,73.76 145.74,73.76 v2(143.99,72.01)
/dram/~{WE}: length 182.5
  Top w0.25: v2(140.68,68.9) 142.27,70.5 142.27,74.88 143.27,75.88 143.27,81.68 140.6,84.35 140.6,99.42 IC10.4 ; v2(184.32,71.43) 186.43,69.33 186.43,38.91 190.71,34.62 ; v2(161.53,116.77) 161.93,116.37 161.93,116.35 162.52,115.75 162.52,104.07 IC11.4
  Bottom w0.25: v2(184.32,71.43) 179.38,71.43 173.65,65.7 161.62,65.7 158.3,69.03 140.8,69.03 v2(140.68,68.9) ; v2(161.53,116.77) 179.65,116.77 179.69,116.81 IC13.6 ; IC11.4 159.59,102.26 159.58,102.27 155.33,102.27 153.91,100.85 147.14,100.85 145.72,102.26 IC10.4 138.37,102.26 CN3.7
/E: length 394.7
  Top w0.25: IC1.34 125.59,41.75 v2(125.59,14.31) 126.37,13.53 126.37,7.55 v2(127.06,6.86) ; R11.1 196.93,14.91 196.93,9.59 C14.2 ; CN1.6 215.05,128.05 213.85,129.25 211.68,129.25 206.85,124.43 206.85,120.12 v2(205.57,118.85)
  Bottom w0.25: v2(127.06,6.86) 127.89,7.69 156.96,7.69 159.03,9.76 188.07,9.76 190.36,7.47 193.05,7.47 193.36,7.16 C14.2 ; IC99913.6 201.56,96.1 202.57,97.11 202.57,101.08 201.23,102.43 199.15,102.43 198.12,103.45 198.12,111.4 v2(205.57,118.85) ; 196.72,14.9 196.92,14.9 R11.1 199.48,12.39 219.09,12.39 221.51,14.81 221.51,30.1 211.3,40.31 211.3,61.29 206.53,66.06 206.53,74.31 207.52,75.3 216.83,75.3 225.85,84.32 225.85,119.89 217.69,128.05 CN1.6 ; IC4.25 68.61,21.83 69.71,22.93 86.26,22.93 87.55,21.64 IC5.25 106.38,21.64 110.05,17.97 121.28,17.97 124.94,14.31 v2(125.59,14.31)
